# KiCad board GIMIX Mainboard.kicad_pcb (continued)
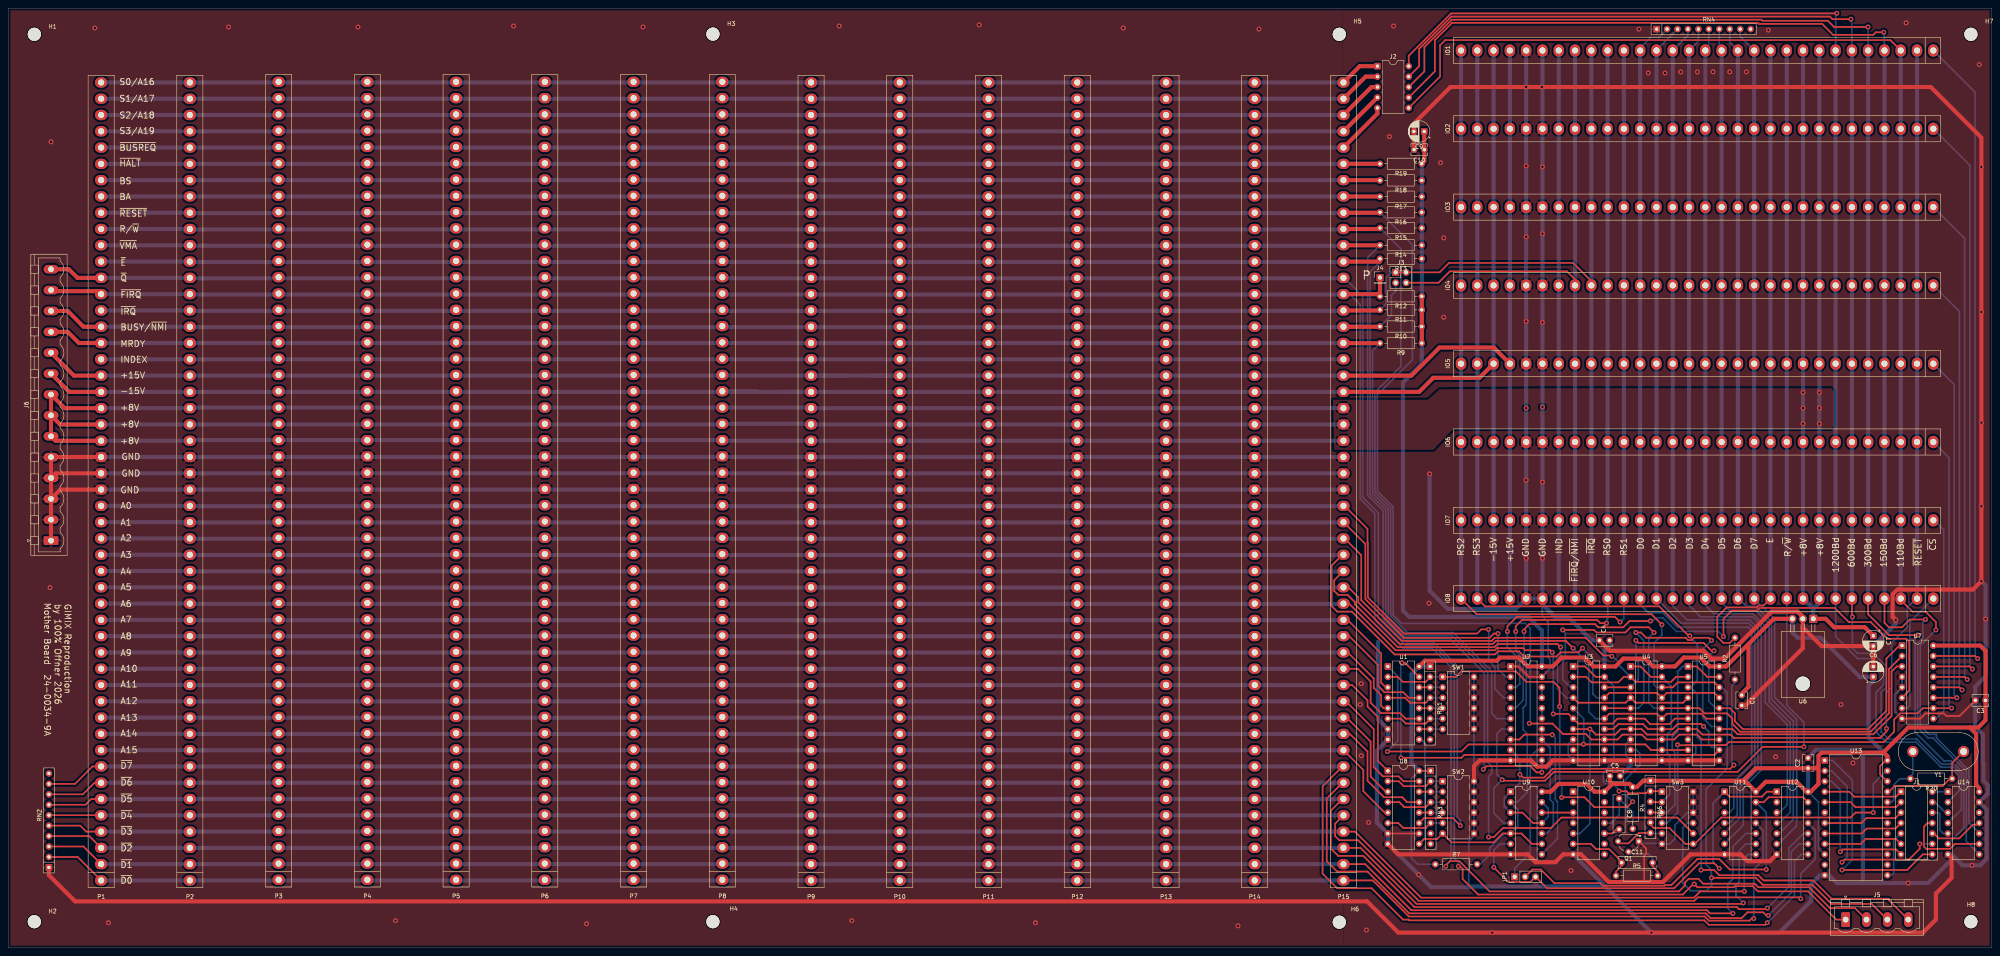
[diagram p0: board, top side]
## Routing (per net, layer and track width the routed paths; a pad name or vN(x,y) marks a point on that pad's centre or on a via; arc(x,y) is an arc through that point) (continued)
/RS3: length 304.6
  Top w0.4: v1(409.13,75.91) 408.85,75.91 401.7,83.06 359.33,83.06 IO8.29 ; v1(411.86,18.92) 415.04,18.92 416.31,17.65 425.83,17.65 427.1,16.38 439.17,16.38 443.61,11.94 457.58,11.94 457.58,11.56 J5.4
  Bottom w0.4: v1(411.86,18.92) 411.86,50.36 410.97,51.24 410.97,61.72 409.32,63.37 ; v1(409.13,75.91) 409.13,75.63 410.97,73.79 410.97,65.02 409.32,63.37 ; 409.32,63.37 408.69,63.37
  Bottom w1: IO1.29 IO8.29
/RWint: length 28.4
  Bottom w0.4: U9.10 374.27,27.81 375.92,29.46 375.92,35.31 375.16,36.07 375.16,48.64 U2.13 U2.14
/SW3-1: length 52
  Top w0.4: U3.1 383.67,68.45 386.21,65.91 U3.19 ; v1(391.92,38.1) 393.7,38.1 394.21,37.59 398.53,37.59 399.03,38.1 402.21,38.1 SW3.1
  Bottom w0.4: U3.19 390.65,63.63 390.65,45.21 388.11,42.67 388.11,40.39 388.62,39.88 390.4,39.88 391.92,38.35 v1(391.92,38.1)
/SW3-2: length 44.9
  Top w0.4: U4.19 399.67,65.91 397.13,68.45 U4.1 ; SW3.2 399.16,35.43 399.03,35.56
  Bottom w0.4: SW3.2 404.24,37.34 404.24,46.86 403.61,47.5 403.61,51.94 404.62,52.96 404.62,63.63 U4.19
/SW3-3: length 52.2
  Top w0.4: U5.1 410.85,68.45 413.38,65.91 U5.19 ; SW3.3 399.16,32.89 399.03,33.02
  Bottom w0.4: SW3.3 403.61,32.89 405.51,34.8 405.51,47.5 404.88,48.13 404.88,51.31 406.15,52.58 406.15,67.18 407.42,68.45 U5.1
/SW3-4: length 71.8
  Top w0.4: 399.03,30.48 400.36,29.15 404.17,29.15 408.05,25.27 SW3.7 410.34,25.27 416.76,31.69 448.25,31.69 449.45,32.89 v1(453.77,32.89)
  Bottom w0.4: U13.23 456.95,43.05 453.77,39.88 v1(453.77,32.89)
/SW_A5: length 107.3
  Top w0.4: SW1.1 352.17,65.91 353.51,67.25 366.83,67.25 369.37,64.71 375.86,64.71 375.92,64.77 377.44,63.25 v1(377.44,58.67) ; v1(377.95,36.58) 378.01,36.63 383.48,36.63 385.88,34.23 393.9,34.23 v1(395.22,35.56) ; U1.2 338.07,65.91 339.27,64.71 344.88,64.71 346.07,65.91
  Bottom w0.4: v1(395.22,35.56) 393.45,37.34 393.45,40.89 397,44.45 397,47.24 396.11,48.13 U4.9 ; SW1.1 346.07,65.91 ; v1(377.95,36.58) 377.95,39.37 377.44,39.88 v1(377.44,58.67)
/SW_A6: length 5.7
  Top w0.4: 346.07,63.37 343.28,63.37
  Bottom w0.4: SW1.2 346.07,63.37
/SW_A7: length 14.3
  Top w0.4: U1.4 339.85,60.83 341.05,59.63 344.88,59.63 346.07,60.83
  Bottom w0.4: SW1.3 346.07,60.83
/SW_A8: length 5.7
  Top w0.4: 346.07,58.29 U1.12
  Bottom w0.4: SW1.4 346.07,58.29
/SW_A9: length 14.3
  Top w0.4: 346.07,55.75 344.88,54.55 340.04,54.55 338.84,55.75 U1.6
  Bottom w0.4: SW1.5 346.07,55.75
/SW_A10: length 5.7
  Top w0.4: 346.07,53.21 U1.10
  Bottom w0.4: SW1.6 346.07,53.21
/SW_A11: length 14.3
  Top w0.4: U8.2 338.33,40.51 339.53,39.31 344.88,39.31 RN3.2
  Bottom w0.4: SW2.1 RN3.2
/SW_A12: length 5.7
  Top w0.4: 343.28,37.97 346.07,37.97
  Bottom w0.4: 346.07,37.97 SW2.2
/SW_A13: length 14.3
  Top w0.4: RN3.4 344.88,34.23 339.66,34.23 338.45,35.43 U8.4
  Bottom w0.4: SW2.3 RN3.4
/SW_A14: length 5.7
  Top w0.4: RN3.5 U8.12
  Bottom w0.4: RN3.5 SW2.4
/SW_A15: length 14.3
  Top w0.4: U8.6 338.2,30.35 339.4,29.15 344.88,29.15 RN3.6
  Bottom w0.4: SW2.5 RN3.6
/U7_EN2: length 248.1
  Top w0.4: U7.6 462.53,62.61 462.53,74.42 461.77,75.18 457.2,75.18 453.14,79.25 447.8,79.25 444.36,82.69 426.09,82.69 425.45,82.04 419.35,82.04 417.32,80.01 v1(417.32,75.69) ; U9.9 370.71,25.27 368.17,27.81 U9.5 363.6,27.81 361.44,25.65 351.16,25.65 SW2.6 347.66,26.47 344.48,26.47 U8.9 ; v1(368.81,76.96) 368.81,77.47 370.08,78.74 386.08,78.74 386.84,77.98 392.94,77.98 394.46,79.5 v1(399.54,79.5)
  Bottom w0.4: v1(417.32,75.69) 416.05,76.96 405.89,76.96 402.59,80.26 400.81,80.26 400.05,79.5 v1(399.54,79.5) ; R7.2 357.5,20.45 358.27,20.45 360.43,22.61 360.43,24.26 363.98,27.81 U9.5 367.28,29.59 367.28,33.65 U9.2 367.16,35.43 369.57,37.85 369.57,52.07 368.55,53.09 368.55,58.42 369.32,59.18 369.32,70.87 368.81,71.37 v1(368.81,76.96) ; U1.9 343.41,50.55 343.92,50.55 344.68,49.78 344.68,26.67 U8.9
/VMA: length 477.1
  Top w0.4: U8.11 344.48,31.55 351.48,31.55 v1(353.31,29.72)
  Top w1: P15.40 333.73,170.92 R14.2
  Bottom w0.4: v1(353.31,29.72) 353.31,30.99 352.55,31.75 352.55,68.58 346.69,74.44 340.09,74.44 334.54,79.99 334.54,106.32 330.73,110.13 330.73,167.92 R14.2
  Bottom w1: 44.2,170.81 324.69,170.81 ; P2.40 23.47,170.92
/~{BS}: length 310.1
  Top w1: P15.44 333.69,186.77 R18.2
  Bottom w1: 23.67,186.77 P2.44 P15.44
/~{BUSREQ}: length 314.6
  Top w1: 324.87,194.69 333.12,202.95 J2.5
  Bottom w1: 324.87,194.69 23.37,194.69
/~{FIRQ}: length 595.4
  Top w0.4: v1(349.76,19.81) 349.76,20.07 350.77,21.08 353.06,21.08 360.43,13.72 406.51,13.72 407.97,15.18 407.97,15.88 408.85,16.76 411.23,16.76 412.4,15.59 424.94,15.59 425.79,14.73 438.15,14.73 443.23,9.65 449.33,9.65 J5.2
  Top w1: P1.37 21.87,159.77 10.67,159.77 J6.13 ; P15.37 333.53,159.03 333.76,158.8 R12.2 J4.1
  Bottom w0.4: P15.37 326.36,159.03 328.93,156.46 328.93,109.22 332.49,105.66 332.49,79.76 339.34,72.9 346.46,72.9 351.03,68.33 351.03,21.34 349.76,20.07 v1(349.76,19.81)
  Bottom w1: 324.87,158.93 44.2,158.93 ; P2.37 23.47,159.03
/~{HALT}: length 310.2
  Top w1: P15.45 324.89,190.75 R19.2
  Bottom w1: P15.45 P2.45 23.6,190.73
/~{IORES}: length 277.5
  Top w0.4: U3.7 384.94,53.21 386.28,51.87 390.96,51.87 392.3,53.21 U4.7 397.38,53.21 398.72,51.87 404.93,51.87 406.27,53.21 U5.7 410.85,53.21 412.19,51.87 419.04,51.87 419.86,51.05 455.42,51.05 456.98,52.61 v1(456.98,53.33) 456.94,53.33 456.69,53.09
  Bottom w0.4: IO8.2 464.18,84.96 462.03,82.81 462.03,77.98 458.22,74.17 458.22,63.37 456.95,62.1 456.95,53.37 v1(456.98,53.33) ; 384.81,53.34 v1(384.81,53.21) 384.81,30.23 382.4,27.81 U10.5
  Bottom w1: IO8.2 464.41,218.31
/~{IRQ}: length 506.3
  Top w0.4: J3.1 J3.2 348.23,164.34 350.52,166.62 380.75,166.62 385.17,162.2 IO4.22
  Top w1: P15.36 333.62,155.07 R11.2
  Bottom w0.4: R11.2 335.28,156.73 335.28,163.07 336.55,164.34 J3.1
  Bottom w1: P2.36 23.62,155.07 ; 44.2,154.97 324.87,154.97 ; IO8.22 IO1.22
/~{MRDY}: length 516.9
  Top w0.4: v1(360.17,26.92) 361.44,26.92 363.67,29.15 375.36,29.15 377.88,31.68 406.09,31.68 SW3.8
  Top w1: R9.2 324.9,147.11 P15.34 ; J6.11 14.48,149.86 17.2,147.14 P1.34
  Bottom w0.4: R9.2 333.76,147.07 331.93,145.24 331.93,110.62 335.74,106.81 335.74,80.49 340.28,75.95 351.28,75.95 359.92,67.31 359.92,45.21 360.93,44.2 360.93,42.42 360.17,41.66 v1(360.17,26.92)
  Bottom w1: P15.34 P2.34 23.29,147.14
/~{NMI}: length 336.4
  Top w1: J6.12 14.48,154.94 18.31,151.1 P1.35 ; P15.35 333.7,151.1 R10.2
  Bottom w0.4: J3.3 337.57,159.77 336.54,158.74 336.54,153.94 R10.2
  Bottom w1: 324.87,151 44.2,151 ; P2.35 23.34,151.1
/~{RES}: length 524.7
  Top w0.4: v1(370.08,54.61) 370.13,54.55 375.72,54.55 378.26,52.01 383.85,52.01 385.19,50.67 U3.13 391.54,50.67 392.74,51.87 397.45,51.87 398.65,50.67 U4.13 405.34,50.67 406.54,51.87 410.92,51.87 412.12,50.67 U5.13
  Top w1: P15.42 333.65,178.84 R16.2
  Bottom w0.4: v1(370.08,54.61) 370.33,54.86 370.33,77.72 369.14,78.92 339.01,78.92 336.94,80.99 336.94,107.31 333.13,111.12 333.13,134.55 341.63,143.05 341.63,171.07 R16.2
  Bottom w1: P2.42 23.34,178.84 ; 44.2,178.74 325.02,178.74
Net-(IO1-Pin_24): length 133.4
  Bottom w1: IO8.24 IO1.24
Net-(J1-Pin_10): length 13.5
  Top w0.4: J1.10 468.5,27.81 469.7,26.61 474.67,26.61 478.03,29.97 479.04,29.97 479.43,30.35 U14.11
Net-(J1-Pin_11): length 21.4
  Top w0.4: U14.9 473.58,25.27 473.13,24.82 473.13,24.78 472.43,24.07 466.66,24.07 466.09,24.64 466.09,29.46 466.98,30.35 J1.11
Net-(J1-Pin_12): length 8.2
  Bottom w0.4: U14.5 470.79,27.81 469.9,28.7 469.9,32.64 469.65,32.89 J1.12
Net-(J1-Pin_13): length 4.9
  Bottom w0.4: U14.3 471.3,32.89 468.76,35.43 J1.13
Net-(J1-Pin_14): length 3.8
  Bottom w0.4: U14.1 J1.14
Net-(JP1-A): length 34.3
  Bottom w0.4: U2.12 371.98,48.13 370.33,46.48 370.33,23.11 366.52,19.3 JP1.1
Net-(Q1-B): length 11.3
  Top w0.4: R5.2 401.32,18.54 400.05,19.81 400.05,20.69 C11.2
  Bottom w0.4: Q1.2 394.72,22.86 399.03,22.86 400.05,21.84 400.05,20.71 C11.2
Net-(U2-Pad8): length 41.9
  Top w0.4: U2.8 367.67,50.67 368.87,51.87 375.61,51.87 v1(375.67,51.82)
  Bottom w0.4: U9.8 376.94,26.54 376.94,35.56 376.43,36.07 376.43,51.05 v1(375.67,51.82)
Net-(U2-Pad15): length 2.5
  Bottom w0.4: U2.16 U2.15
Net-(U2-Pad17): length 2.5
  Bottom w0.4: 373.13,63.37 U2.17
Net-(U10-A1): length 10.2
  Top w0.4: U9.12 U10.3
  Bottom w0.4: U10.4 U10.3
Net-(U10-Cext): length 4
  Top w0.4: U10.10 390.27,27.81 391.28,28.82 C8.2
Net-(U10-Q): length 17.6
  Top w0.4: R5.1 391.16,18.54 392.55,19.93 392.55,20.69 C11.1 392.56,20.82 391.92,21.46 391.92,21.59 389.51,24 386.33,24 385.06,25.27 U10.6
Net-(U10-R/Cext): length 17.1
  Bottom w0.4: R4.2 395.22,33.02 C8.1 391.92,32.26 390.02,30.35 U10.11
Net-(U13-XIN): length 24.8
  Top w0.4: Y1.1 472.95,44.96 R20.1 472.44,41.15 470.66,39.37 458.98,39.37 457.58,37.97 U13.21
Net-(U13-XOUT): length 17
  Bottom w0.4: Y1.2 463.4,42.27 462.79,41.66 R20.2 460.25,41.15 458.72,39.62 458.72,35.94 458.22,35.43 U13.20

## Copper pours and planes (outline as drawn; the poured copper is in the pictures)
+8V on Top: 322.33,133.35 345.44,133.35 348.23,135.89 377.44,136.14 443.48,136.14 444.25,135.38 444.25,127 443.48,126.24 351.54,126.24 346.71,121.16 322.58,121.16
GND on Top: 323.85,229.87 485.65,229.87 485.14,-1.52 321.31,-1.52 321.06,108.46 321.06,217.17
GND on Top: 324.61,228.85 -1.78,228.85 -1.52,-0.76 324.87,-0.76
GND on Bottom: 489.97,231.65 492.51,-2.03 -4.06,-4.57 -4.06,238

## Text on the board
F.Silkscreen: S0/A16 | S1/A17 | S2/A18 | S3/A19 | ~{BUSREQ} | ~{HALT} | BS | BA | ~{RESET} | R/~{W} | ~{VMA} | ~{E} | ~{Q} | ~{FIRQ} | ~{IRQ} | BUSY/~{NMI} | MRDY | INDEX | +15V | -15V | +8V | GND | A0 | A1 | A2 | A3 | A4 | A5 | A6 | A7 | A8 | A9 | A10 | A11 | A12 | A13 | A14 | A15 | ~{D7} | ~{D6} | ~{D5} | ~{D4} | ~{D3} | ~{D2} | ~{D1} | ~{D0} | RS2 | RS3 | IND | ~{FIRQ}/~{NMI} | RS0 | RS1 | D0 | D1 | D2 | D3 | D4 | D5 | D6 | D7 | E | 1200Bd | 600Bd | 300Bd | 150Bd | 110Bd | ~{CS} | Mother Board  24-0034-9A | GIMIX Reproduction / by 100% Offner 2026 | P
